# Allegro board RK_NVR_DEMO_RK3568_DDR4P216SD4_V12_20201221YWQ_final.brd (continued)
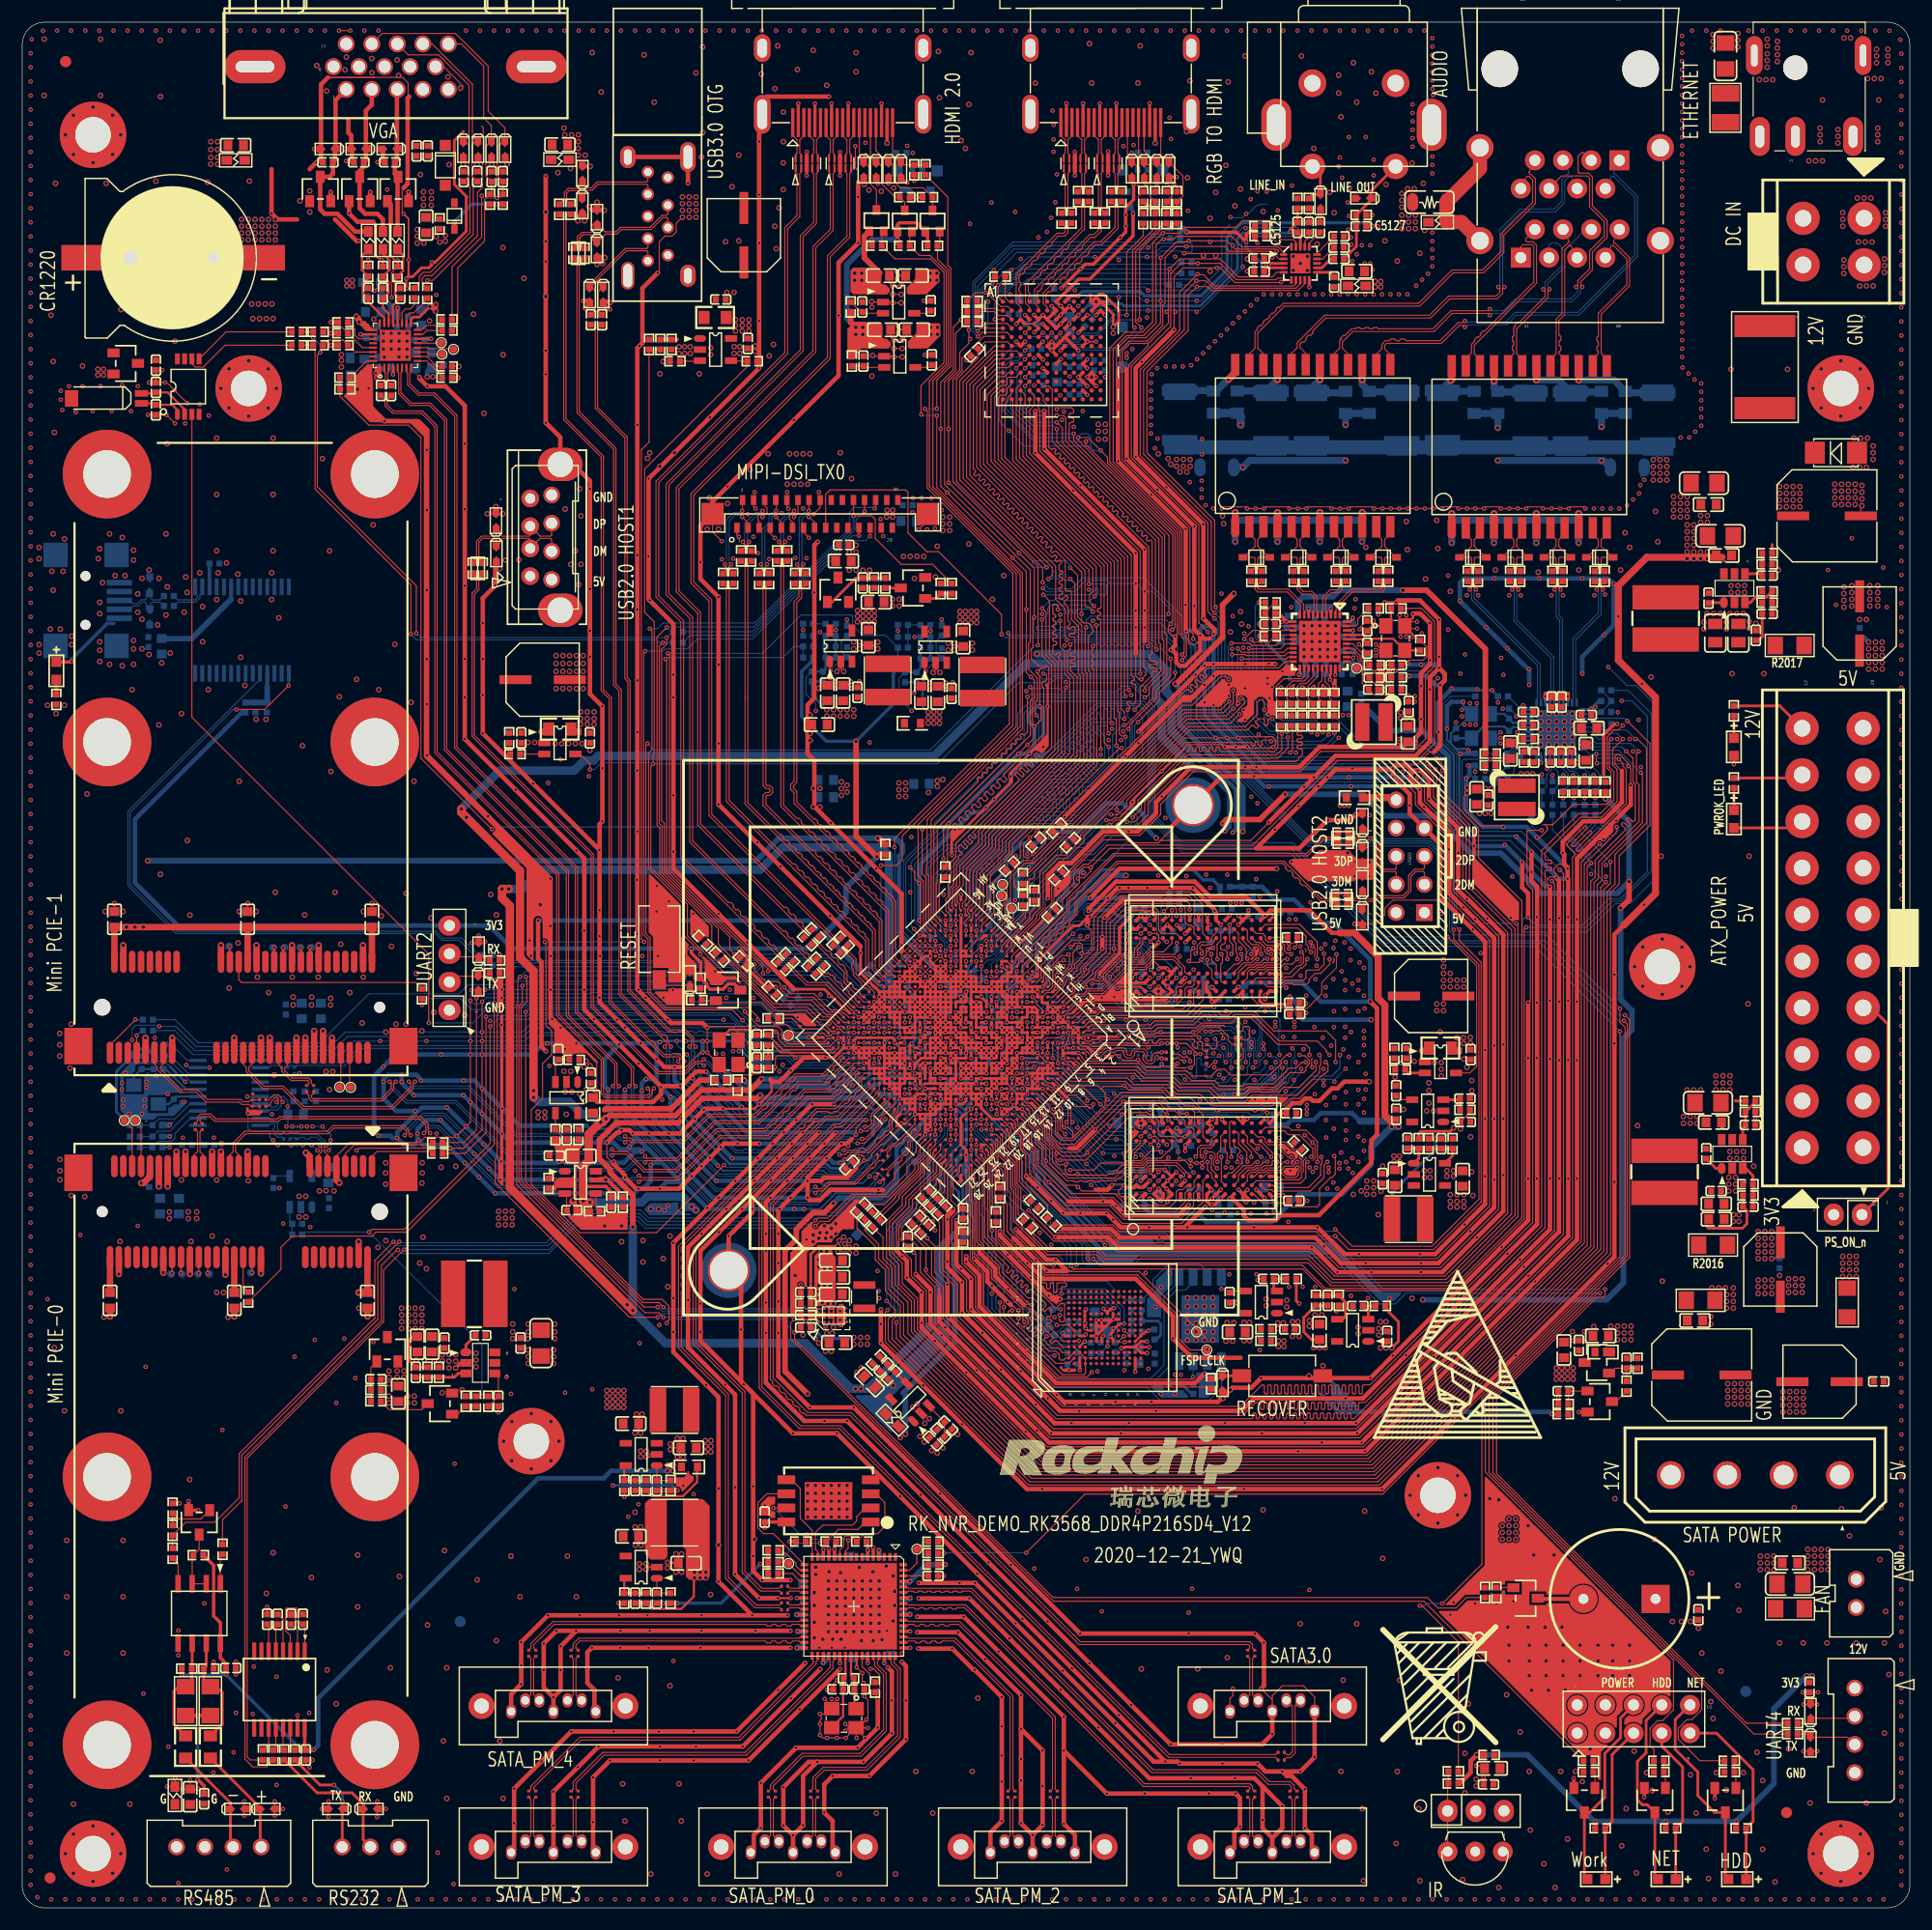
[diagram p0: board, top side]
## Copper pours and planes (outline as drawn; the poured copper is in the pictures) (continued)
VCC_DDR on BOTTOM: 99.88,64.14 99.79,64.06 99.79,63.35 99.8,63.35 99.8,63.24 99.83,63.2 99.83,63.06 99.95,62.94 100.58,62.94 100.71,63.07 100.71,63.71 100.28,64.14
VCC_DDR on BOTTOM: 103,81.99 103.12,81.99 103.25,82.12 103.25,82.75 103,82.75 102.49,83.26 102.25,83.26 102.11,83.12 102.11,82.12 102.24,81.99 103,81.99
VCC_DDR on POWER: 124,64.52 124,61.16 122.73,59.89 98.81,59.89 98.55,60.15 96.98,60.15 90.68,66.45 90.68,66.5 90.42,66.75 90.42,69.65 86.61,73.46 86.61,74.24 86.74,74.24 87.63,75.13 87.63,76.4 88.65,77.42 88.65,78.44 87.76,79.32 87.76,81 88.9,82.14 88.9,83.13 89.92,84.15 89.92,85.29 96.88,92.25 96.98,92.25 97.38,92.66 105.11,92.66 105.92,93.47 124.41,93.47 125.43,92.46 125.43,65.94
VCC_IR on TOP: 134.62,3.89 135.13,4.39 135.13,12.65 133.86,13.92 132.46,13.92 132.33,13.79 132.33,4.39 132.84,3.89
VCC_RTC on TOP: 10.01,138.68 10.82,138.68 11.33,139.19 13.56,139.19 13.67,139.09 14.17,139.09 14.27,139.19 14.27,140.21 14.17,140.31 10.31,140.31 9.8,139.8 9.8,138.89
VCCA3V3_CODEC on TOP: 118.62,146.71 117.81,146.71 117.2,147.32 117.2,147.42 117.3,147.52 117.7,147.52 118.21,148.03 119.94,148.03 120.04,147.93 120.04,145.9 119.94,145.8 118.92,145.8 118.72,146 118.72,146.61
VCCA3V3_RTD on BOTTOM: 32.7,139.04 32.7,138.12 32.39,137.82 32.09,137.82 31.68,137.41 29.55,137.41 29.34,137.62 29.34,138.63 29.45,138.73 31.68,138.73 32.09,139.14 32.59,139.14
VCCA_1V8 on TOP: 77.47,43.89 77.88,43.89 78.99,45.01 78.99,45.72 77.22,47.5 76.76,47.5 76.07,46.81 75.95,46.81 75.69,47.07 74.93,47.07 74.8,46.94 74.8,46.56
VCCIO_FLASH on TOP: 109.78,53.95 109.68,53.85 109.68,51.1 109.98,50.8 111.91,50.8 111.91,53.34 111.3,53.95
VCCIO_FLASH on BOTTOM: 101.55,50.29 101.55,50.9 102.26,50.9 102.36,51 102.36,51.41 102.26,51.51 100.23,51.51 99.42,50.7 99.11,50.7 98.7,50.29 98.2,50.29 98.09,50.19 98.09,49.89 98.3,49.68 102.36,49.68 102.36,50.19 102.26,50.29
VCCIO_FLASH on BOTTOM: 94.84,51.41 94.84,53.14 95.35,53.14 95.45,53.04 95.45,52.12 95.66,51.92 95.96,51.92 96.06,51.82 96.06,51.51 95.96,51.41
VCCIO_FLASH on BOTTOM: 103.78,50.19 103.68,50.09 103.68,48.46 103.07,47.85 103.07,46.94 104.8,46.94 104.8,48.16 104.6,48.36 104.6,50.09 104.5,50.19
VCCIO_FLASH on POWER: 99.42,50.7 99.11,50.7 98.91,50.9 96.57,50.9 96.37,51.1 96.37,55.68 97.79,57.1 97.79,59.89 97.66,60.02 97.16,60.02 97.03,59.89 97.03,58.5 94.34,55.8 94.34,51.82 93.73,51.21 93.73,48.06 94.34,47.45 108.15,47.45 111,50.29 111,52.73 110.49,53.24 101.96,53.24
VCCIO_PHY0 on TOP: 137.41,103.73 138.84,103.73 139.14,103.43 139.14,103.12 140.36,103.12 140.36,103.73 140.56,103.94 141.17,103.94 141.48,103.63 141.48,103.02 141.58,102.92 142.39,102.92 143.1,102.21 143.1,101.19 143,101.09 137.92,101.09 137.21,101.8 137.21,103.53
VCCIO_PHY1 on BOTTOM: 113.23,109.42 113.23,110.13 113.64,110.54 113.64,111.05 113.84,111.25 114.45,111.25 114.96,110.74 114.97,110.74 115.26,110.74 115.27,110.74 115.87,110.74 116.08,110.95 116.08,111.46 116.28,111.66 117.08,111.66 117.08,111.65 117.7,111.65 117.86,111.5 117.86,111.2 118.11,110.95 118.11,110.82 118.49,110.44 120.52,110.44 121.16,109.8 121.16,109.3 121.03,109.17 113.49,109.17
VDD1V2_RTD_VCCK on BOTTOM: 31.27,144.22 31.27,143 31.38,142.9 31.38,142.29 31.27,142.19 30.77,142.19 29.85,143.11 29.85,144.01 30.16,144.32 31.17,144.32
VDD1V2_RTD_VCCK on POWER: 29.59,143.36 29.59,139.7 31.83,137.46 33.45,137.46 33.76,137.77 33.76,138.28 31.32,140.72 31.32,143.15 30.71,143.76 30,143.76
VDD1V2_SATAPM on TOP (solid shape): 61.95,36.22 61.95,29.87 61.65,29.57 60.1,29.57 59.79,29.87 59.79,32.28 59.54,32.54 59.54,36.73 59.61,36.8 59.66,36.8 59.71,36.86 61.32,36.86
VDD1V2_SATAPM on BOTTOM: 79.88,25.6 80.26,25.22 80.26,24.21 79.63,23.57 79.63,23.06 78.49,21.92 77.85,21.92 77.72,21.79 77.09,21.79 76.71,22.17 76.71,22.81 76.83,22.94 77.6,22.94 77.85,23.19 78.61,23.19 78.99,23.57 78.99,24.59 79.25,24.84 79.25,25.48 79.38,25.6
VDD1V2_SATAPM on BOTTOM: 70.61,27.51 69.72,27.51 69.6,27.64 69.6,31.19 70.87,32.46 72.39,32.46 72.52,32.33 72.52,31.45 72.39,31.32 71.63,31.32 70.87,30.56 70.87,28.65 70.61,28.4
VDD1V2_SATAPM on POWER: 69.47,26.85 69.47,25.73 70.1,25.1 70.1,24.59 69.47,23.95 69.21,23.95 68.96,23.7 68.96,23.06 69.47,22.56 72.01,22.56 73.42,21.15 76.66,21.15 77.22,21.7 77.22,22.3 78.1,23.19 79.5,23.19 79.76,22.94 80.64,22.94 81.03,23.32 81.03,23.7 80.52,24.21 80.26,24.21 79.79,24.68 79.79,25.26 80.42,25.88 80.42,26.92 79.71,27.64 79.71,28.35 80.62,29.26 80.62,30.38 79.4,31.6 77.27,31.6 76.15,32.72 73.1,32.72 72.49,32.11 71.58,32.11 71.48,32.21 71.48,33.73 71.98,34.24 83.36,34.24 84.18,33.43 84.18,18.34 80.26,14.43 63.04,14.43 59.89,17.58 59.89,30.58 60.81,31.5 64.85,31.5 67.75,28.59 69.61,28.59 70.05,28.14 70.05,27.43
VDD10_PHY0 on TOP (solid shape): 139.45,109.52 139.45,108.92 139.34,108.81 139.21,108.81 139.21,108.82 137.43,108.82 137.43,108.81 137.21,108.81 137.06,108.97 137.06,109.52 137.16,109.63 139.34,109.63
VDD10_PHY0 on TOP: 131.01,98.04 130.3,98.76 130.3,99.57 130.4,99.67 136.4,99.67 136.5,99.57 136.5,98.25 136.3,98.04
VDD10_PHY0 on POWER: 140.92,107.44 140.92,108.71 140.21,109.42 137.16,109.42 135.13,107.39 135.13,105.26 136.55,103.84 137.06,103.84 137.68,103.21 137.67,103.2 137.67,102.57 137.41,102.31 137.41,101.65 136.75,100.99 131.62,100.99 130.91,100.28 130.91,98.68 131.44,98.15 134.49,98.15 135.48,99.14 144.53,99.14 146.3,100.91 146.3,105.99 144.91,107.39 140.97,107.39
VDD10_PHY1 on BOTTOM (solid shape): 118.11,116.74 117.74,116.74 117.74,116.75 115.96,116.75 115.96,116.74 115.57,116.74 115.57,117.55 118.11,117.55
VDD10_PHY1 on TOP: 122.28,105.16 123.29,105.16 123.9,105.77 125.53,105.77 125.63,105.87 125.63,107.7 125.22,108.1 124.21,108.1 123.6,108.71 122.28,108.71 122.17,108.61 122.17,105.26
VDD10_PHY1 on POWER: 114.35,115.32 114.35,116.84 114.86,117.35 118.01,117.35 120.14,115.21 120.14,113.39 118.72,111.96 118.21,111.96 117.4,111.15 117.4,110.64 117.81,110.24 117.81,109.83 118.52,109.12 124.41,109.12 125.83,107.7 125.83,106.48 125.63,106.27 119.61,106.27 118.36,107.52 114.05,107.52 113.03,108.53 113.03,114
VDD_CPU on TOP: 73.71,54.97 74.32,54.97 74.73,55.37 74.73,55.68 74.83,55.78 76.86,55.78 77.06,55.98 77.06,56.59 76.61,57.05 76.61,59.49 75.13,60.96 74.02,60.96 73.2,60.15 73.2,59.03 73.51,58.72 73.51,55.17
VDD_CPU on BOTTOM: 85.85,74.88 85.09,74.12 84.71,74.5 84.58,74.5 84.33,74.75 84.33,74.88 84.65,75.2 84.33,75.51 84.33,75.77 84.71,76.15 84.71,76.53 84.96,76.78 85.09,76.78 85.34,76.53 85.98,76.53 87.12,75.39 87.12,75.13 86.99,75.01 86.36,75.01 86.23,74.88
VDD_CPU on BOTTOM: 76.25,62.18 76.86,61.57 76.86,59.84 75.74,58.72 73.51,58.72 73.2,59.03 73.2,60.15 73.81,60.76 74.52,60.76 75.95,62.18
VDD_CPU on POWER: 82.38,57.14 89.76,64.52 89.76,69.8 86.41,73.15 86.41,74.55 86.74,74.88 86.99,74.88 87.12,75.01 87.12,75.9 86.51,76.5 84.99,76.5 82.35,73.86 82.04,73.86 78.23,70.05 78.23,65.99 73.1,60.86 73.1,58.52 73.14,58.48 73.14,56.98 73.28,56.85 73.28,55.96 77.09,52.15 81.28,52.15 82.38,53.25
VDD_LOGIC on TOP: 88.54,108.15 88.54,109.83 84.38,109.83 84.38,109.63 84.07,109.32 80.82,109.32 80.62,109.12 80.62,106.07 80.92,105.77 86.16,105.77
VDD_LOGIC on BOTTOM: 81.33,101.9 81.33,100.48 81.53,100.28 82.55,100.28 83.26,100.99 83.26,101.9 83.16,102.01 81.43,102.01
VDD_LOGIC on BOTTOM: 84.84,79.96 84.84,79.71 85.09,79.45 85.09,79.2 84.96,79.07 84.96,78.69 84.71,78.44 84.45,78.44 84.33,78.56 83.82,78.56 83.69,78.69 83.57,78.69 83.44,78.56 83.44,78.31 83.57,78.18 83.57,77.8 83.44,77.67 83.44,77.42 83.57,77.29 83.82,77.29 83.95,77.42 84.33,77.42 84.45,77.29 84.71,77.29 85.72,78.31 85.85,78.31 85.98,78.18 86.23,78.18 86.69,77.72 86.92,77.72 87.12,77.93 87.12,78.03 86.09,79.06 86.09,79.95 86.11,79.96 86.11,80.34 84.96,81.48 84.71,81.48 84.33,81.1 84.96,80.47 84.96,80.09
VDD_LOGIC on POWER: 85.01,76.71 86.06,76.71 86.11,76.66 86.23,76.66 87.5,77.93 87.5,79.07 86.74,79.83 86.74,80.34 86.49,80.59 86.49,80.98 86.61,81.1 86.61,83.39 86.87,83.64 87.5,83.64 88.52,84.66 88.52,85.04 90.04,86.56 90.04,88.09 92.2,90.25 92.2,91.39 95.5,94.69 98.04,94.69 102.23,98.88 102.23,110.57 100.84,111.96 90.93,111.96 87.25,108.28 81.15,108.28 80.26,107.39 80.26,99.77 79.25,98.76 79.25,86.44 84.99,80.7 84.99,80.16 84.84,80.01 84.84,79.71 84.89,79.65 84.89,79.15 84.43,78.69 83.69,78.69 83.44,78.44 83.44,77.17 84.07,76.53 84.84,76.53
VDDA_0V9 on TOP: 51.26,68.48 50.65,68.48 50.44,68.28 50.44,67.16 50.85,66.75 51.05,66.75 51.16,66.65 51.16,66.24 51.36,66.04 51.87,66.04 52.17,66.34 52.17,66.85 51.56,67.46 51.56,68.17
VDDA_0V9 on BOTTOM: 82.42,73.99 82.6,74.17 82.85,74.17 82.96,74.27 82.96,74.88 82.85,74.98 82.65,74.98 82.45,74.78 82.35,74.78 82.04,75.08 81.94,75.08 81.53,74.68 81.53,74.37 82.17,73.74 82.3,73.74 82.42,73.86
(no net) on TOP: 80.57,141.96 79.81,141.2 79.81,140.69 79.93,140.56 81.58,140.56 82.73,141.71 82.73,142.72 82.6,142.85 80.7,142.85 80.57,142.72
(no net) on TOP: 78.03,140.56 78.28,140.82 78.28,141.07 77.9,141.45 77.65,141.45 77.52,141.58 77.52,142.72 77.27,142.98 74.98,142.98 74.35,142.34 74.35,139.67 74.47,139.55 74.98,139.55 75.23,139.8 75.23,140.18 75.62,140.56
(no net) on TOP: 58.01,36.86 56.49,36.86 56.11,36.47 56.11,31.9 56.62,31.39 57.89,31.39 58.14,31.65 58.14,36.73
(no net) on TOP: 59.66,36.86 61.32,36.86 61.95,36.22 61.95,29.87 61.65,29.57 60.1,29.57 59.79,29.87 59.79,32.28 59.54,32.54 59.54,36.73
(no net) on TOP: 77.93,145.44 78.18,145.69 78.18,145.95 77.8,146.33 77.55,146.33 77.42,146.46 77.42,147.6 77.17,147.85 74.88,147.85 74.63,147.6 74.63,145.69 74.88,145.44
(no net) on TOP: 80.47,146.84 79.71,146.08 79.71,145.57 79.83,145.44 81.48,145.44 82.63,146.58 82.63,147.6 82.5,147.73 80.59,147.73 80.47,147.6
(no net) on TOP: 2.03,0.51 0.95,0.95 0.51,2.03 0.51,167.94 0.95,169.02 2.03,169.47 168.05,169.47 169.12,169.02 169.57,167.94 169.57,2.03 169.12,0.95 168.05,0.51 ; 55 cut-outs
(no net) on BOTTOM: 2.03,0.51 0.95,0.95 0.51,2.03 0.51,167.94 0.95,169.02 2.03,169.47 168.05,169.47 169.12,169.02 169.57,167.94 169.57,2.03 169.12,0.95 168.05,0.51 ; 28 cut-outs
PCIE30_AVDD0V9 on TOP: 49.83,72.24 49.63,72.03 49.63,70.92 49.23,70.51 48.82,70.51 48.72,70.41 48.72,70.1 49.02,69.8 50.75,69.8 52.68,71.73 52.68,72.14 52.58,72.24
PHY0_REG_OUT on TOP: 132.94,100.48 132.94,102.11 133.25,102.41 136.4,102.41 136.5,102.31 136.5,100.79 136.19,100.48
PHY0_REG_OUT on BOTTOM: 136.52,103.96 136.52,103.96 136.52,104.06 136.45,104.14 136.04,104.14 134.77,102.87 134.77,102.11 134.98,101.9 136.4,101.9 136.52,102.03
PHY1_REG_OUT on TOP: 118.65,111.88 118.64,111.89 118.64,111.99 118.72,112.06 119.13,112.06 120.45,110.74 120.45,109.83 121.36,108.92 121.36,105.26 121.16,105.05 120.01,105.05 119.76,105.31 119.76,108.03 118.82,108.97 118.82,109.76 118.65,109.93
USB3_AVDD_0V9 on BOTTOM: 80.21,75.9 80.21,75.79 81.13,74.88 81.33,74.88 81.74,75.29 81.74,75.39 81.53,75.59 81.53,75.64 82.04,76.15 82.04,76.25 81.43,76.86 81.18,76.86
VDD_GPU/NPU on TOP: 80.01,109.93 75.84,109.93 75.84,109.73 75.54,109.42 72.29,109.42 72.09,109.22 72.09,106.17 72.26,105.99 79.63,105.99 80.01,106.38
VDD_GPU/NPU on BOTTOM: 84.48,79.15 84.68,79.15 84.84,79.3 84.84,79.45 84.58,79.71 84.58,79.96 84.71,80.09 84.71,80.47 84.07,81.1 84.07,81.36 84.2,81.48 84.2,81.61 83.95,81.86 83.82,81.86 83.44,81.48 83.31,81.48 82.68,80.85 82.68,80.72 83.57,79.83 83.57,79.58 83.82,79.32 84.3,79.32
VDD_GPU/NPU on BOTTOM: 74.65,99.67 74.65,101.96 74.55,102.06 72.52,102.06 72.52,99.64 72.77,99.39 74.37,99.39
VDD_GPU/NPU on BOTTOM: 82.55,76.4 82.42,76.28 82.42,76.15 82.55,76.02 82.55,75.77 82.04,75.26 82.04,75.18 82.25,74.98 82.35,74.98 82.55,75.18 82.85,75.18 83.06,74.98 83.43,74.98 83.47,75.03 83.47,75.04 83.57,75.13 83.82,75.13 84.07,74.88 84.45,75.26 84.07,75.64 83.95,75.64 83.44,76.15 83.44,76.28 82.93,76.78 82.68,76.78 82.55,76.66
VDD_GPU/NPU on POWER: 84.07,75.9 84.07,75.79 83.16,74.88 82.55,74.88 81.33,73.66 80.62,73.66 79.81,72.85 79.76,72.85 79.38,72.47 75.31,72.47 69.34,78.44 69.34,83.31 67.41,85.24 67.41,87.27 69.34,89.2 69.34,102.31 71.88,104.85 71.88,108.18 72.01,108.31 77.67,108.31 77.71,108.27 79.26,108.27 79.63,107.9 79.63,102.95 78.49,101.8 78.49,86.66 84.79,80.37 84.79,80.16 84.68,80.06 84.68,79.65 84.79,79.55 84.79,79.25 84.68,79.15 84.07,79.15 83.16,78.23 83.16,78.05 83.17,78.04 83.17,77.41 83.06,77.29 83.06,76.91
VGA_CHASSIS_GND on TOP: 19.49,157.12 19.49,159.56 18.01,161.04 18.01,166.52 19.03,167.54 23.29,167.54 24.11,166.73 24.11,165 24.05,164.95 24.05,158.64 22.54,157.12
VGA_CHASSIS_GND on TOP: 44.02,167.64 48.79,167.64 49.4,167.03 49.4,164.8 48.18,163.58 48.18,157.18 47.78,156.77 45.14,156.77 44.93,156.97 44.93,163.47 43.41,165 43.41,167.03
VGA_CHASSIS_GND on POWER: 19.23,167.64 18.72,167.13 18.72,163.07 21.06,160.73 21.16,160.73 21.97,159.92 44.53,159.92 49,164.39 49,166.73 48.18,167.54 43.51,167.54 38.84,162.86 27.25,162.86 22.48,167.64
N16836752 on TOP: 145.34,67.06 150.22,67.06 151.33,68.17 152.96,68.17 153.47,68.68 153.47,69.7 153.26,69.9 145.34,69.9 145.03,69.6 145.03,67.36
N16838996 on TOP: 145.03,117.35 145.34,117.04 150.93,117.04 151.13,117.25 151.13,117.86 151.54,118.26 152.35,118.26 153.77,119.68 153.77,120.7 153.47,121.01 146.76,121.01 145.03,119.28
N17846195 on TOP: 3.4,149.76 3.91,150.27 7.67,150.27 7.98,149.96 7.98,142.04 8.79,141.22 8.79,139.7 6.25,139.7 3.4,142.54
N21503903 on TOP: 73.61,54.66 73.61,54.46 73.51,54.36 73.51,54.25 74.12,54.25 74.12,53.54 76.96,53.54 76.96,54.36 76.86,54.46 74.83,54.46 74.52,54.76 73.71,54.76
N21509854 on TOP: 83.06,112.88 88.14,112.88 88.34,112.67 88.34,111.25 88.24,111.15 83.26,111.15 82.96,111.46 82.96,112.78
N21514825 on TOP: 124.92,65.43 126.75,65.43 127.46,64.72 127.46,60.25 127.25,60.05 125.93,60.05 125.73,60.25 125.73,63.8 124.82,64.72 124.82,65.33
N21569578 on TOP: 58.01,47.02 56.49,47.02 56.11,46.63 56.11,42.06 56.62,41.55 57.89,41.55 58.14,41.81 58.14,46.89
N21570181 on TOP (solid shape): 56.61,36.8 58.09,36.8 58.09,32.67 58.14,32.67 58.14,31.65 57.89,31.39 56.62,31.39 56.11,31.9 56.11,32.6 56.12,32.68 56.11,32.84 56.14,32.84 56.14,34.14 56.11,34.14 56.11,36.47 56.49,36.86 56.56,36.86
N21594590 on TOP: 41.45,50.14 41.81,49.78 43.23,49.78 43.81,50.37 43.81,58.34 43.64,58.52 41.61,58.52 41.45,58.37
N21597611 on BOTTOM: 20.65,73.63 20.65,73.89 22.17,73.89 22.81,74.52 26.82,74.52 26.97,74.37 26.97,73.56 26.77,73.36 22.81,73.36 22.53,73.63
N21615728 on TOP: 16.71,9.65 13.36,9.65 12.95,9.25 12.95,4.47 13.46,3.96 16.81,3.96 17.42,4.57 17.42,8.94
N21650984 on TOP: 74.52,112.98 79.6,112.98 79.81,112.78 79.81,111.35 79.71,111.25 74.73,111.25 74.42,111.56 74.42,112.88
N21707115 on TOP: 97.38,145.19 97.79,144.78 97.79,143.97 97.99,143.76 97.99,141.83 98.2,141.63 98.6,141.63 99.01,142.04 99.01,144.07 97.38,145.69 96.06,145.69 95.96,145.59 95.96,145.39 96.16,145.19
N21707115 on BOTTOM: 95.96,140.82 98.5,140.82 99.72,142.04 99.72,142.85 99.62,142.95 98.3,142.95 96.98,141.63 95.96,141.63 95.66,141.33 95.66,141.12
N21756849 on TOP: 152.25,166.62 152.04,166.42 152.04,162.86 152.15,162.76 154.89,162.76 154.99,162.86 154.99,166.22 154.58,166.62
N21771540 on TOP: 166.27,27.74 166.27,26.72 165.56,26.01 160.17,26.01 159.97,26.21 159.97,27.64 160.07,27.74 163.73,27.74 164.03,28.04 165.96,28.04
N21892034 on TOP: 149.71,37.08 147.68,37.08 146.05,38.71 146.05,54.56 147.37,55.88 150.52,55.88 150.72,55.68 150.72,38.1
N21892112 on TOP: 162.92,53.54 162.92,44.81 162.2,44.09 162.2,37.9 162.61,37.49 165.35,37.49 166.98,39.12 166.98,52.73 165.66,54.05 163.42,54.05
GND on TOP (solid shape): 118.3,110.82 118.34,110.82 118.41,110.8 118.44,110.72 118.44,109.85 118.62,109.67 118.62,109.14 118.06,109.14 118.06,110.21 117.99,110.28 117.96,110.36 118.01,110.44 118.11,110.55 118.14,110.69 118.14,110.73 118.18,110.81 118.26,110.83
GND on TOP (solid shape): 43.36,81.26 43.32,81.17 43.22,81.16 43.08,81.17 42.94,81.11 42.83,81.1 42.77,81.19 42.77,83.45 42.83,83.55 42.85,83.67 42.87,83.75 42.95,83.78 43.36,83.78
GND on BOTTOM (solid shape): 117.91,47.47 117.97,47.57 118.08,47.55 120.34,45.28 120.36,45.17 120.27,45.11 118.79,45.11 117.91,45.99

Small or netless copper shapes (teardrops, artwork), in the pictures only: 11 on TOP, 6 on BOTTOM

## Text on the board
Ref Des/Silkscreen Bottom: DEBUG | GND | EMMC_D0
User.Comments: CR_DCDCMODE_2 | CR_UNNAMED_5 | CR_UNNAMED_6 | CR_DCDCMODE_3 | CR_UNNAMED_4
Ref Des/Silkscreen Top: G | TX | RX | GND | 3V3 | DP | DM | 5V | FSPI_CLK | LINE_IN | LINE_OUT | 3DM | 3DP | C5127 | 2DM | 2DP | POWER | HDD | NET | R2016 | R2017 | PS_ON_n | 12V | C5125 | PWROK_LED | RS485 | - | + | RS232 | VGA | SATA_PM_4 | SATA_PM_3 | SATA_PM_0 | MIPI-DSI_TX0 | RK_NVR_DEMO_RK3568_DDR4P216SD4_V12 | SATA_PM_2 | 2020-12-21_YWQ | SATA_PM_1 | RECOVER | SATA3.0 | IR | Work | SATA POWER | CR1220 | Mini PCIE-1 | Mini PCIE-0 | UART2 | USB2.0 HOST1 | RESET | USB3.0 OTG | HDMI 2.0 | RGB TO HDMI | USB2.0 HOST2 | AUDIO | ETHERNET | ATX_POWER | DC IN | UART4 | FAN
User.26: FIGURE | SIZE | 7.874 | 11.81 | 27.559 | 29.134 | 35.039 | 35.433 | 36.22 | 39.37 | 40.157 | 43.311 | 51.181 | 53.15 | 59.055 | 59.059 | 62.988 | 70.866 | 90.551 | 125.984 | 133.858 | 169.291 | 35.429 | 86.61 | 129.921 | 55.118x27.559 | 66.929x35.433 | 78.74x23.62 | 78.74x31.49 | 82.677x31.496 | 106.299x35.433 | 137.795x39.37 | 145.669x66.929 | DRILL CHART: TOP to BOTTOM | ALL UNITS ARE IN MILS | PLATED | NON-PLATED | QTY | 3655 | 2041 | 9 | 42 | 3 | 2 | 4 | 24 | 1 | 8 | 17 | 15 | 12
